# KiCad board manila_ice.kicad_pcb (continued)
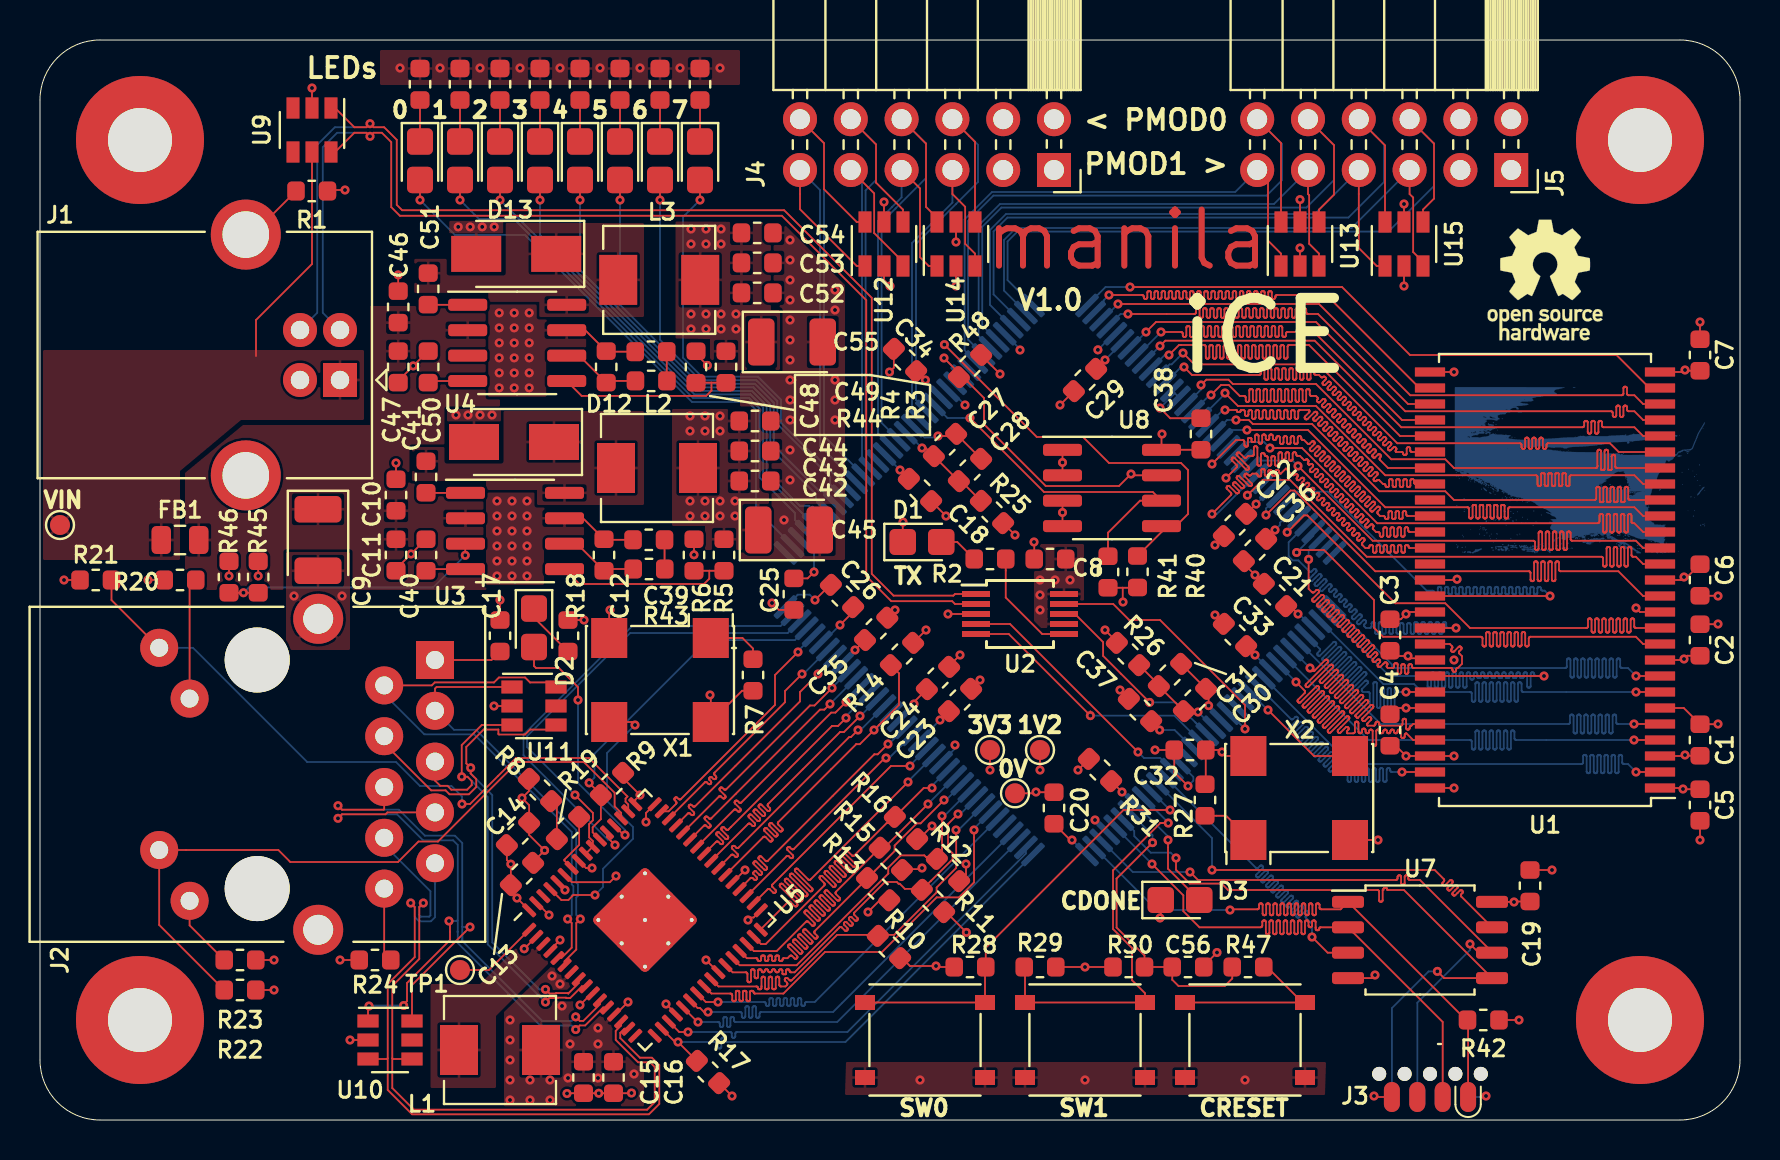
[diagram p0: board, top side]
## Routing (per net, layer and track width the routed paths; a pad name or vN(x,y) marks a point on that pad's centre or on a via; arc(x,y) is an arc through that point) (continued)
/SDRAM/BS0: length 31.1
  Top w0.089: v1(59.25,36.35) 59.9,35.7 63.8,35.7 67.26,32.24 74.79,32.24 74.81,32.24 74.83,32.23 74.84,32.22 74.86,32.2 74.87,32.19 74.87,32.17 74.88,32.15 74.88,31.78 74.88,31.76 74.89,31.74 74.9,31.72 74.91,31.71 74.93,31.7 74.95,31.69 74.97,31.69 74.99,31.69 75,31.7 75.02,31.71 75.03,31.72 75.05,31.74 75.05,31.76 75.05,31.78 75.05,32.29 75.06,32.3 75.06,32.31 75.07,32.32 75.07,32.33 75.08,32.33 75.09,32.34 75.1,32.34 75.18,32.34 75.19,32.34 75.2,32.33 75.21,32.33 75.22,32.32 75.23,32.31 75.23,32.3 75.23,32.29 75.23,31.78 75.23,31.76 75.24,31.74 75.25,31.72 75.27,31.71 75.28,31.7 75.3,31.69 75.32,31.69 75.34,31.69 75.36,31.7 75.38,31.71 75.39,31.72 75.4,31.74 75.41,31.76 75.41,31.78 75.41,32.29 75.41,32.3 75.41,32.31 75.42,32.32 75.43,32.33 75.44,32.33 75.45,32.34 75.46,32.34 75.54,32.34 75.55,32.34 75.56,32.33 75.57,32.33 75.58,32.32 75.58,32.31 75.59,32.3 75.59,32.29 75.59,31.78 75.59,31.76 75.6,31.74 75.61,31.72 75.62,31.71 75.64,31.7 75.66,31.69 75.68,31.69 75.7,31.69 75.72,31.7 75.73,31.71 75.75,31.72 75.76,31.74 75.76,31.76 75.77,31.78 75.77,32.29 75.77,32.3 75.77,32.31 75.78,32.32 75.78,32.33 75.79,32.33 75.8,32.34 75.82,32.34 75.89,32.34 75.9,32.34 75.92,32.33 75.92,32.33 75.93,32.32 75.94,32.31 75.94,32.3 75.94,32.29 75.94,31.78 75.95,31.76 75.95,31.74 75.96,31.72 75.98,31.71 75.99,31.7 76.01,31.69 76.03,31.69 76.05,31.69 76.07,31.7 76.09,31.71 76.1,31.72 76.11,31.74 76.12,31.76 76.12,31.78 76.12,32.29 76.12,32.3 76.13,32.31 76.13,32.32 76.14,32.33 76.15,32.33 76.16,32.34 76.17,32.34 76.25,32.34 76.26,32.34 76.27,32.33 76.28,32.33 76.29,32.32 76.29,32.31 76.3,32.3 76.3,32.29 76.3,31.78 76.3,31.76 76.31,31.74 76.32,31.72 76.33,31.71 76.35,31.7 76.37,31.69 76.39,31.69 76.41,31.69 76.43,31.7 76.44,31.71 76.46,31.72 76.47,31.74 76.47,31.76 76.48,31.78 76.48,32.15 76.48,32.17 76.49,32.19 76.5,32.2 76.51,32.22 76.53,32.23 76.55,32.24 76.57,32.24 79.72,32.24 80.16,31.8 U1.20
  Bottom w0.089: U6.17 59.25,36.31 v1(59.25,36.35)
/SDRAM/BS1: length 31.2
  Top w0.089: U1.21 78.85,32.6 78.83,32.6 78.81,32.61 78.79,32.62 78.78,32.63 78.77,32.65 78.76,32.67 78.76,32.69 78.76,33.18 78.76,33.2 78.75,33.22 78.74,33.23 78.73,33.25 78.71,33.26 78.69,33.26 78.67,33.27 78.65,33.26 78.63,33.26 78.62,33.25 78.6,33.23 78.59,33.22 78.59,33.2 78.58,33.18 78.58,32.55 78.58,32.54 78.58,32.53 78.57,32.52 78.56,32.51 78.55,32.5 78.54,32.5 78.53,32.5 78.46,32.5 78.44,32.5 78.43,32.5 78.42,32.51 78.42,32.52 78.41,32.53 78.41,32.54 78.41,32.55 78.41,33.43 78.4,33.45 78.4,33.47 78.39,33.48 78.37,33.5 78.36,33.51 78.34,33.51 78.32,33.52 78.3,33.51 78.28,33.51 78.26,33.5 78.25,33.48 78.24,33.47 78.23,33.45 78.23,33.43 78.23,32.55 78.23,32.54 78.22,32.53 78.22,32.52 78.21,32.51 78.2,32.5 78.19,32.5 78.18,32.5 78.1,32.5 78.09,32.5 78.08,32.5 78.07,32.51 78.06,32.52 78.05,32.53 78.05,32.54 78.05,32.55 78.05,33.43 78.05,33.45 78.04,33.47 78.03,33.48 78.02,33.5 78,33.51 77.98,33.51 77.96,33.52 77.94,33.51 77.92,33.51 77.91,33.5 77.89,33.48 77.88,33.47 77.87,33.45 77.87,33.43 77.87,32.69 77.87,32.67 77.86,32.65 77.85,32.63 77.84,32.62 77.82,32.61 77.8,32.6 77.78,32.6 70.7,32.6 70.26,33.04 67.56,33.04 63.8,36.8 59.64,36.8 59.43,37.01 58.31,37.01 v1(58.05,36.75)
  Bottom w0.089: v1(58.05,36.75) 58.05,36.52 U6.15 57.3,35.8
/SDRAM/CKE: length 31.1
  Top w0.089: U1.37 68.4,30.2 68.38,30.2 68.36,30.21 68.34,30.22 68.33,30.23 68.32,30.25 68.31,30.27 68.31,30.29 68.31,30.36 68.31,30.38 68.3,30.4 68.29,30.42 68.28,30.43 68.26,30.44 68.24,30.45 68.22,30.45 68.2,30.45 68.18,30.44 68.17,30.43 68.15,30.42 68.14,30.4 68.14,30.38 68.13,30.36 68.13,30.12 68.13,30.11 68.13,30.09 68.12,30.08 68.11,30.07 68.09,30.06 68.07,30.05 68.06,30.05 68.03,30.05 68.01,30.05 68,30.06 67.98,30.07 67.97,30.08 67.96,30.09 67.96,30.11 67.96,30.12 67.96,30.36 67.95,30.38 67.95,30.4 67.94,30.42 67.92,30.43 67.91,30.44 67.89,30.45 67.87,30.45 67.85,30.45 67.83,30.44 67.81,30.43 67.8,30.42 67.79,30.4 67.78,30.38 67.78,30.36 67.78,30.12 67.78,30.11 67.77,30.09 67.76,30.08 67.75,30.07 67.74,30.06 67.72,30.05 67.7,30.05 67.67,30.05 67.66,30.05 67.64,30.06 67.63,30.07 67.62,30.08 67.61,30.09 67.6,30.11 67.6,30.12 67.6,30.36 67.6,30.38 67.59,30.4 67.58,30.42 67.57,30.43 67.55,30.44 67.53,30.45 67.51,30.45 67.49,30.45 67.47,30.44 67.46,30.43 67.44,30.42 67.43,30.4 67.42,30.38 67.42,30.36 67.42,30.12 67.42,30.11 67.41,30.09 67.41,30.08 67.39,30.07 67.38,30.06 67.36,30.05 67.35,30.05 67.32,30.05 67.3,30.05 67.29,30.06 67.27,30.07 67.26,30.08 67.25,30.09 67.25,30.11 67.24,30.14 67.24,30.16 67.23,30.17 67.22,30.18 67.2,30.19 67.19,30.2 67.17,30.2 67,30.2 66.89,30.31 66.88,30.32 66.87,30.34 66.87,30.36 66.87,30.38 66.87,30.4 66.88,30.42 66.89,30.43 66.98,30.52 66.99,30.53 67,30.55 67.01,30.57 67.01,30.59 67,30.61 66.99,30.63 66.98,30.64 66.96,30.66 66.95,30.66 66.93,30.67 66.91,30.67 66.89,30.66 66.87,30.66 66.85,30.64 66.65,30.44 66.64,30.43 66.62,30.42 66.61,30.42 66.59,30.42 66.57,30.42 66.56,30.43 66.55,30.44 66.53,30.46 66.52,30.47 66.51,30.49 66.51,30.51 66.51,30.52 66.51,30.54 66.52,30.55 66.53,30.57 66.73,30.77 66.74,30.79 66.75,30.8 66.75,30.82 66.75,30.84 66.75,30.86 66.74,30.88 66.73,30.9 66.71,30.91 66.7,30.92 66.68,30.92 66.66,30.92 66.64,30.92 66.62,30.91 66.6,30.9 66.4,30.69 66.39,30.68 66.37,30.68 66.36,30.67 66.34,30.67 66.32,30.68 66.31,30.68 66.29,30.69 66.28,30.71 66.26,30.73 66.26,30.74 66.25,30.76 66.25,30.77 66.26,30.79 66.26,30.81 66.28,30.82 66.48,31.02 66.49,31.04 66.5,31.05 66.5,31.07 66.5,31.09 66.5,31.11 66.49,31.13 66.48,31.15 66.46,31.16 66.44,31.17 66.42,31.17 66.4,31.17 66.39,31.17 66.37,31.16 66.35,31.15 66.15,30.94 66.14,30.93 66.12,30.93 66.1,30.92 66.09,30.92 66.07,30.93 66.06,30.93 66.04,30.94 66.02,30.96 66.01,30.98 66.01,30.99 66,31.01 66,31.03 66.01,31.04 66.01,31.06 66.02,31.07 66.23,31.27 66.24,31.29 66.25,31.31 66.25,31.33 66.25,31.35 66.25,31.36 66.24,31.38 66.23,31.4 66.21,31.41 66.19,31.42 66.17,31.42 66.15,31.42 66.13,31.42 66.12,31.41 66.1,31.4 65.9,31.2 65.88,31.19 65.87,31.18 65.85,31.17 65.84,31.17 65.82,31.18 65.81,31.19 65.79,31.2 65.77,31.22 65.76,31.23 65.75,31.24 65.75,31.26 65.75,31.28 65.75,31.29 65.76,31.31 65.77,31.32 65.97,31.52 65.99,31.54 66,31.56 66,31.58 66,31.6 66,31.62 65.99,31.63 65.97,31.65 65.96,31.66 65.94,31.67 65.92,31.68 65.9,31.68 65.88,31.67 65.86,31.66 65.85,31.65 65.65,31.45 65.63,31.44 65.62,31.43 65.6,31.43 65.59,31.43 65.57,31.43 65.55,31.44 65.54,31.45 65.52,31.47 65.51,31.48 65.5,31.5 65.5,31.51 65.5,31.53 65.5,31.54 65.51,31.56 65.52,31.57 65.72,31.78 65.74,31.79 65.74,31.81 65.75,31.83 65.75,31.85 65.74,31.87 65.74,31.89 65.72,31.9 65.71,31.91 65.69,31.92 65.67,31.93 65.65,31.93 65.63,31.92 65.61,31.91 65.6,31.9 65.4,31.7 65.38,31.69 65.37,31.68 65.35,31.68 65.33,31.68 65.32,31.68 65.3,31.69 65.29,31.7 65.27,31.72 65.26,31.73 65.25,31.75 65.25,31.76 65.25,31.78 65.25,31.8 65.26,31.81 65.27,31.82 65.47,32.03 65.48,32.04 65.49,32.06 65.5,32.08 65.5,32.1 65.49,32.12 65.48,32.14 65.47,32.15 65.46,32.17 65.44,32.17 65.42,32.18 65.4,32.18 65.38,32.17 65.36,32.17 65.35,32.15 65.14,31.95 65.13,31.94 65.12,31.93 65.1,31.93 65.08,31.93 65.07,31.93 65.05,31.94 65.04,31.95 65.02,31.97 65.01,31.98 65,32 65,32.01 65,32.03 65,32.05 65.01,32.06 65.02,32.08 65.22,32.28 65.23,32.29 65.24,32.31 65.25,32.33 65.25,32.35 65.24,32.37 65.23,32.39 65.22,32.4 65.2,32.42 65.19,32.43 65.17,32.43 65.15,32.43 65.13,32.43 65.11,32.42 65.09,32.4 64.89,32.2 64.88,32.19 64.86,32.18 64.85,32.18 64.83,32.18 64.81,32.18 64.8,32.19 64.79,32.2 64.77,32.22 64.76,32.23 64.75,32.25 64.74,32.27 64.74,32.28 64.75,32.3 64.76,32.31 64.77,32.33 64.97,32.53 64.98,32.55 64.99,32.56 64.99,32.58 64.99,32.6 64.99,32.62 64.98,32.64 64.97,32.66 64.95,32.67 64.94,32.68 64.92,32.68 64.9,32.68 64.88,32.68 64.86,32.67 64.84,32.66 64.64,32.45 64.63,32.44 64.61,32.44 64.6,32.43 64.58,32.43 64.56,32.44 64.55,32.44 64.53,32.45 64.51,32.47 64.5,32.49 64.5,32.5 64.49,32.52 64.49,32.53 64.5,32.55 64.5,32.57 64.51,32.58 64.72,32.78 64.73,32.8 64.74,32.81 64.74,32.83 64.74,32.85 64.74,32.87 64.73,32.89 64.72,32.91 64.7,32.92 64.68,32.93 64.66,32.93 64.64,32.93 64.63,32.93 64.61,32.92 64.59,32.91 64.39,32.7 64.38,32.69 64.36,32.69 64.34,32.68 64.33,32.68 64.31,32.69 64.3,32.69 64.28,32.7 64.26,32.72 64.25,32.74 64.25,32.75 64.24,32.77 64.24,32.79 64.25,32.8 64.25,32.82 64.26,32.83 64.47,33.03 64.48,33.05 64.49,33.07 64.49,33.09 64.49,33.11 64.49,33.12 64.48,33.14 64.47,33.16 64.45,33.17 64.43,33.18 64.41,33.18 64.39,33.18 64.37,33.18 64.36,33.17 64.34,33.16 64.14,32.96 64.12,32.95 64.11,32.94 64.09,32.93 64.08,32.93 64.06,32.94 64.04,32.95 64.03,32.96 64.01,32.98 64,32.99 63.99,33 63.99,33.02 63.99,33.04 63.99,33.05 64,33.07 64.01,33.08 64.21,33.28 64.23,33.3 64.24,33.32 64.24,33.34 64.24,33.36 64.24,33.38 64.23,33.39 64.21,33.41 64.2,33.42 64.18,33.43 64.16,33.44 64.14,33.44 64.12,33.43 64.1,33.42 64.09,33.41 63.89,33.21 63.87,33.2 63.86,33.19 63.84,33.19 63.82,33.19 63.81,33.19 63.79,33.2 63.78,33.21 63.76,33.23 63.75,33.24 63.74,33.26 63.74,33.27 63.74,33.29 63.74,33.31 63.75,33.32 63.76,33.33 63.96,33.54 63.98,33.55 63.98,33.57 63.99,33.59 63.99,33.61 63.98,33.63 63.98,33.65 63.96,33.66 63.95,33.67 63.93,33.68 63.91,33.69 63.89,33.69 63.87,33.68 63.85,33.67 63.84,33.66 63.63,33.46 63.62,33.45 63.61,33.44 63.59,33.44 63.57,33.44 63.56,33.44 63.54,33.45 63.53,33.46 63.51,33.48 63.5,33.49 63.49,33.51 63.49,33.52 63.49,33.54 63.49,33.56 63.5,33.57 63.51,33.58 63.71,33.79 63.72,33.8 63.73,33.82 63.74,33.84 63.74,33.86 63.73,33.88 63.72,33.9 63.71,33.91 63.7,33.93 63.68,33.93 63.66,33.94 63.64,33.94 63.62,33.93 63.6,33.93 63.59,33.91 63.5,33.83 63.48,33.81 63.47,33.81 63.45,33.8 63.43,33.8 63.41,33.81 63.39,33.81 63.37,33.83 63.2,34 63.15,34 63.13,34 63.11,34.01 63.1,34.02 63.08,34.03 63.07,34.05 63.07,34.07 63.06,34.09 63.06,34.11 63.06,34.13 63.06,34.15 63.04,34.16 63.03,34.18 63.01,34.19 63,34.19 62.98,34.2 62.96,34.19 62.94,34.19 62.92,34.18 62.91,34.16 62.9,34.15 62.89,34.13 62.89,34.11 62.89,33.89 62.88,33.87 62.88,33.85 62.87,33.83 62.85,33.82 62.84,33.81 62.82,33.8 62.8,33.8 62.78,33.8 62.76,33.81 62.74,33.82 62.73,33.83 62.72,33.85 62.71,33.87 62.71,33.89 62.71,34.11 62.71,34.13 62.7,34.15 62.69,34.16 62.68,34.18 62.66,34.19 62.64,34.19 62.62,34.2 62.6,34.19 62.58,34.19 62.56,34.18 62.55,34.16 62.54,34.15 62.53,34.13 62.53,34.11 62.53,33.89 62.53,33.87 62.52,33.85 62.51,33.83 62.5,33.82 62.48,33.81 62.46,33.8 62.44,33.8 62.42,33.8 62.4,33.81 62.39,33.82 62.37,33.83 62.36,33.85 62.36,33.87 62.35,33.89 62.35,34.11 62.35,34.13 62.34,34.15 62.33,34.16 62.32,34.18 62.3,34.19 62.28,34.19 62.26,34.2 62.24,34.19 62.23,34.19 62.21,34.18 62.19,34.16 62.18,34.15 62.18,34.13 62.18,34.11 62.18,33.89 62.17,33.87 62.17,33.85 62.16,33.83 62.14,33.82 62.13,33.81 62.11,33.8 62.09,33.8 62.07,33.8 62.05,33.81 62.03,33.82 62.02,33.83 62.01,33.85 62,33.87 62,33.89 62,34.11 62,34.13 61.99,34.15 61.98,34.16 61.96,34.18 61.95,34.19 61.93,34.19 61.91,34.2 61.89,34.19 61.87,34.19 61.85,34.18 61.84,34.16 61.83,34.15 61.82,34.13 61.82,34.11 61.82,34.09 61.82,34.07 61.81,34.05 61.8,34.03 61.79,34.02 61.77,34.01 61.75,34 61.73,34 61.71,34 61.69,34.01 61.68,34.02 61.66,34.03 61.65,34.05 61.64,34.07 61.64,34.09 61.64,34.19 61.64,34.21 61.63,34.23 61.62,34.25 61.61,34.26 61.59,34.27 61.57,34.28 61.55,34.28 61.53,34.28 61.51,34.27 61.5,34.26 61.48,34.25 61.47,34.23 61.47,34.21 61.46,34.19 61.46,34.09 61.46,34.07 61.46,34.05 61.44,34.03 61.43,34.02 61.41,34.01 61.4,34 61.38,34 61.36,34 61.34,34.01 61.32,34.02 61.31,34.03 61.3,34.05 61.29,34.07 61.29,34.09 61.29,34.19 61.28,34.21 61.28,34.23 61.27,34.25 61.25,34.26 61.24,34.27 61.22,34.28 61.2,34.28 61.18,34.28 61.16,34.27 61.14,34.26 61.13,34.25 61.12,34.23 61.11,34.21 61.11,34.19 61.11,33.9 61.11,33.88 61.1,33.86 61.09,33.85 61.08,33.83 61.06,33.82 61.04,33.82 61.02,33.81 61,33.82 60.98,33.82 60.96,33.83 60.95,33.85 60.94,33.86 60.93,33.88 60.93,33.9 60.93,34.19 60.93,34.21 60.92,34.23 60.91,34.25 60.9,34.26 60.88,34.27 60.86,34.28 60.84,34.28 60.82,34.28 60.8,34.27 60.79,34.26 60.77,34.25 60.76,34.23 60.76,34.21 60.75,34.19 60.75,33.95 60.75,33.94 60.75,33.93 60.74,33.92 60.73,33.91 60.72,33.9 60.71,33.9 60.7,33.9 60.63,33.9 60.61,33.9 60.6,33.9 60.59,33.91 60.59,33.92 60.58,33.93 60.58,33.94 60.58,33.95 60.58,34.05 60.57,34.06 60.57,34.07 60.56,34.08 60.56,34.09 60.55,34.09 60.54,34.1 60.53,34.1 60.45,34.1 60.44,34.1 60.43,34.09 60.42,34.09 60.41,34.08 60.4,34.07 60.4,34.06 60.4,34.05 60.4,33.75 60.4,33.73 60.39,33.71 60.38,33.7 60.36,33.68 60.35,33.67 60.33,33.67 60.31,33.66 60.29,33.67 60.27,33.67 60.25,33.68 60.24,33.7 60.23,33.71 60.22,33.73 60.22,33.75 60.22,33.91 60.22,33.93 60.21,33.95 60.2,33.96 60.19,33.98 60.17,33.99 60.15,33.99 60.13,34 59.8,34 v1(58.6,32.8)
  Bottom w0.089: v1(58.6,32.8) 59.42,33.62 U6.21
/SDRAM/CLK: length 31.1
  Top w0.089: U1.38 68.5,29.4 68.48,29.4 68.46,29.41 68.44,29.42 68.43,29.43 68.42,29.45 68.41,29.47 68.41,29.49 68.41,29.55 68.41,29.57 68.4,29.59 68.39,29.61 68.38,29.62 68.36,29.63 68.34,29.64 68.32,29.64 68.3,29.64 68.28,29.63 68.27,29.62 68.25,29.61 68.24,29.59 68.24,29.57 68.23,29.55 68.23,29.25 68.23,29.23 68.22,29.21 68.21,29.19 68.2,29.18 68.18,29.17 68.16,29.16 68.14,29.16 68.12,29.16 68.11,29.17 68.09,29.18 68.07,29.19 68.06,29.21 68.06,29.23 68.06,29.25 68.06,29.55 68.05,29.57 68.05,29.59 68.04,29.61 68.02,29.62 68.01,29.63 67.99,29.64 67.97,29.64 67.95,29.64 67.93,29.63 67.91,29.62 67.9,29.61 67.89,29.59 67.88,29.57 67.88,29.55 67.88,29.25 67.88,29.23 67.87,29.21 67.86,29.19 67.84,29.18 67.83,29.17 67.81,29.16 67.79,29.16 67.77,29.16 67.75,29.17 67.73,29.18 67.72,29.19 67.71,29.21 67.7,29.23 67.7,29.25 67.7,29.55 67.7,29.57 67.69,29.59 67.68,29.61 67.67,29.62 67.65,29.63 67.63,29.64 67.61,29.64 67.59,29.64 67.57,29.63 67.56,29.62 67.54,29.61 67.53,29.59 67.52,29.57 67.52,29.55 67.52,29.25 67.52,29.23 67.51,29.21 67.5,29.19 67.49,29.18 67.47,29.17 67.45,29.16 67.43,29.16 67.41,29.16 67.39,29.17 67.38,29.18 67.36,29.19 67.35,29.21 67.35,29.23 67.34,29.25 67.34,29.55 67.34,29.57 67.34,29.59 67.32,29.61 67.31,29.62 67.29,29.63 67.28,29.64 67.26,29.64 67.24,29.64 67.22,29.63 67.2,29.62 67.19,29.61 67.18,29.59 67.17,29.57 67.17,29.55 67.17,29.25 67.16,29.23 67.16,29.21 67.15,29.19 67.13,29.18 67.12,29.17 67.1,29.16 67.08,29.16 67.06,29.16 67.04,29.17 67.02,29.18 67.01,29.19 67,29.21 66.99,29.23 66.99,29.25 66.99,29.31 66.99,29.33 66.98,29.35 66.97,29.37 66.96,29.38 66.94,29.39 66.92,29.4 66.9,29.4 66.8,29.4 66.66,29.54 66.65,29.55 66.64,29.57 66.64,29.58 66.64,29.6 66.64,29.61 66.65,29.63 66.67,29.65 66.68,29.67 66.68,29.68 66.68,29.7 66.68,29.71 66.67,29.73 66.66,29.74 66.63,29.77 66.62,29.78 66.61,29.78 66.59,29.79 66.57,29.79 66.56,29.78 66.55,29.78 66.53,29.77 66.48,29.72 66.48,29.72 66.41,29.65 66.39,29.64 66.37,29.63 66.35,29.62 66.34,29.62 66.32,29.63 66.3,29.64 66.28,29.65 66.27,29.66 66.26,29.68 66.26,29.7 66.26,29.72 66.26,29.74 66.27,29.76 66.28,29.77 66.4,29.9 66.41,29.91 66.42,29.92 66.42,29.94 66.42,29.95 66.42,29.97 66.41,29.98 66.4,30 66.38,30.02 66.37,30.03 66.35,30.04 66.34,30.04 66.32,30.04 66.3,30.04 66.29,30.03 66.28,30.02 66.16,29.9 66.14,29.89 66.12,29.88 66.1,29.87 66.08,29.87 66.06,29.88 66.05,29.89 66.03,29.9 66.02,29.92 66.01,29.93 66.01,29.95 66.01,29.97 66.01,29.99 66.02,30.01 66.03,30.03 66.15,30.15 66.16,30.16 66.17,30.17 66.17,30.19 66.17,30.2 66.17,30.22 66.16,30.23 66.15,30.25 66.13,30.27 66.11,30.28 66.1,30.29 66.08,30.29 66.07,30.29 66.05,30.29 66.04,30.28 66.03,30.27 65.9,30.15 65.89,30.14 65.87,30.13 65.85,30.13 65.83,30.13 65.81,30.13 65.79,30.14 65.78,30.15 65.77,30.17 65.76,30.18 65.75,30.2 65.75,30.22 65.76,30.24 65.77,30.26 65.78,30.28 65.9,30.4 65.91,30.41 65.92,30.43 65.92,30.44 65.92,30.46 65.92,30.47 65.91,30.49 65.9,30.5 65.87,30.52 65.86,30.53 65.85,30.54 65.83,30.54 65.82,30.54 65.8,30.54 65.79,30.53 65.78,30.52 65.65,30.4 65.64,30.39 65.62,30.38 65.6,30.38 65.58,30.38 65.56,30.38 65.54,30.39 65.53,30.4 65.52,30.42 65.51,30.44 65.5,30.46 65.5,30.48 65.51,30.49 65.52,30.51 65.53,30.53 65.65,30.65 65.66,30.66 65.67,30.68 65.67,30.69 65.67,30.71 65.67,30.72 65.66,30.74 65.65,30.75 65.62,30.78 65.61,30.79 65.6,30.79 65.58,30.8 65.57,30.8 65.55,30.79 65.54,30.79 65.52,30.78 65.4,30.65 65.39,30.64 65.37,30.63 65.35,30.63 65.33,30.63 65.31,30.63 65.29,30.64 65.28,30.65 65.26,30.67 65.26,30.69 65.25,30.71 65.25,30.73 65.26,30.75 65.26,30.76 65.28,30.78 65.4,30.9 65.41,30.91 65.41,30.93 65.42,30.94 65.42,30.96 65.41,30.97 65.41,30.99 65.4,31 65.37,31.03 65.36,31.04 65.35,31.04 65.33,31.05 65.31,31.05 65.3,31.04 65.28,31.04 65.27,31.03 65.15,30.91 65.14,30.89 65.12,30.88 65.1,30.88 65.08,30.88 65.06,30.88 65.04,30.89 65.02,30.91 65.01,30.92 65,30.94 65,30.96 65,30.98 65,31 65.01,31.02 65.02,31.03 65.15,31.15 65.16,31.17 65.16,31.18 65.17,31.19 65.17,31.21 65.16,31.23 65.16,31.24 65.15,31.25 65.12,31.28 65.11,31.29 65.09,31.3 65.08,31.3 65.06,31.3 65.05,31.3 65.03,31.29 65.02,31.28 64.9,31.16 64.88,31.14 64.87,31.14 64.85,31.13 64.83,31.13 64.81,31.14 64.79,31.14 64.77,31.16 64.76,31.17 64.75,31.19 64.75,31.21 64.75,31.23 64.75,31.25 64.76,31.27 64.77,31.28 64.9,31.4 64.9,31.42 64.91,31.43 64.92,31.45 64.92,31.46 64.91,31.48 64.9,31.49 64.9,31.5 64.87,31.53 64.86,31.54 64.84,31.55 64.83,31.55 64.81,31.55 64.8,31.55 64.78,31.54 64.77,31.53 64.65,31.41 64.63,31.4 64.61,31.39 64.59,31.38 64.57,31.38 64.56,31.39 64.54,31.4 64.52,31.41 64.51,31.42 64.5,31.44 64.5,31.46 64.5,31.48 64.5,31.5 64.51,31.52 64.52,31.53 64.64,31.66 64.65,31.67 64.66,31.68 64.66,31.7 64.66,31.71 64.66,31.73 64.65,31.74 64.64,31.76 64.62,31.78 64.61,31.79 64.59,31.8 64.58,31.8 64.56,31.8 64.54,31.8 64.53,31.79 64.52,31.78 64.4,31.66 64.38,31.65 64.36,31.64 64.34,31.63 64.32,31.63 64.3,31.64 64.29,31.65 64.27,31.66 64.26,31.68 64.25,31.69 64.25,31.71 64.25,31.73 64.25,31.75 64.26,31.77 64.27,31.79 64.39,31.91 64.4,31.92 64.41,31.93 64.41,31.95 64.41,31.96 64.41,31.98 64.4,31.99 64.39,32.01 64.37,32.03 64.35,32.04 64.34,32.05 64.32,32.05 64.31,32.05 64.29,32.05 64.28,32.04 64.27,32.03 64.14,31.91 64.13,31.9 64.11,31.89 64.09,31.89 64.07,31.89 64.05,31.89 64.03,31.9 64.02,31.91 64.01,31.93 64,31.94 63.99,31.96 63.99,31.98 64,32 64.01,32.02 64.02,32.04 64.14,32.16 64.15,32.17 64.16,32.19 64.16,32.2 64.16,32.22 64.16,32.23 64.15,32.25 64.14,32.26 64.11,32.28 64.1,32.29 64.09,32.3 64.07,32.3 64.06,32.3 64.04,32.3 64.03,32.29 64.02,32.28 63.89,32.16 63.88,32.15 63.86,32.14 63.84,32.14 63.82,32.14 63.8,32.14 63.78,32.15 63.77,32.16 63.76,32.18 63.75,32.2 63.74,32.22 63.74,32.24 63.75,32.25 63.76,32.27 63.77,32.29 63.89,32.41 63.9,32.42 63.91,32.44 63.91,32.45 63.91,32.47 63.91,32.48 63.9,32.5 63.89,32.51 63.86,32.54 63.85,32.55 63.84,32.55 63.82,32.56 63.81,32.56 63.79,32.55 63.78,32.55 63.76,32.54 63.64,32.41 63.63,32.4 63.61,32.39 63.59,32.39 63.57,32.39 63.55,32.39 63.53,32.4 63.52,32.41 63.5,32.43 63.5,32.45 63.49,32.47 63.49,32.49 63.5,32.51 63.5,32.52 63.52,32.54 63.64,32.66 63.65,32.67 63.65,32.69 63.66,32.7 63.66,32.72 63.65,32.73 63.65,32.75 63.64,32.76 63.61,32.79 63.6,32.8 63.59,32.8 63.57,32.81 63.55,32.81 63.54,32.8 63.52,32.8 63.5,32.78 63.49,32.77 63.47,32.77 63.45,32.77 63.44,32.77 63.43,32.78 63.41,32.79 63.4,32.8 63.39,32.82 63.39,32.83 63.39,32.85 63.39,32.86 63.4,32.88 63.42,32.9 63.43,32.92 63.43,32.93 63.43,32.95 63.43,32.96 63.42,32.98 63.41,32.99 63.38,33.02 63.37,33.03 63.36,33.03 63.34,33.04 63.33,33.04 63.31,33.03 63.3,33.03 63.27,33.01 63.26,33 63.24,33 63.23,33 63.21,33 63.2,33.01 63.18,33.02 63,33.2 62.9,33.2 62.88,33.2 62.86,33.21 62.84,33.22 62.83,33.23 62.82,33.25 62.81,33.27 62.81,33.29 62.81,33.3 62.81,33.32 62.8,33.34 62.79,33.36 62.78,33.37 62.76,33.38 62.74,33.39 62.72,33.39 62.7,33.39 62.68,33.38 62.67,33.37 62.65,33.36 62.64,33.34 62.64,33.32 62.63,33.3 62.63,33.05 62.63,33.03 62.62,33.01 62.61,32.99 62.6,32.98 62.58,32.97 62.56,32.96 62.54,32.96 62.52,32.96 62.51,32.97 62.49,32.98 62.47,32.99 62.46,33.01 62.46,33.03 62.46,33.05 62.46,33.3 62.45,33.32 62.45,33.34 62.44,33.36 62.42,33.37 62.41,33.38 62.39,33.39 62.37,33.39 62.35,33.39 62.33,33.38 62.31,33.37 62.3,33.36 62.29,33.34 62.28,33.32 62.28,33.3 62.28,33.1 62.28,33.08 62.27,33.06 62.26,33.04 62.24,33.03 62.23,33.02 62.21,33.01 62.19,33.01 62.17,33.01 62.15,33.02 62.13,33.03 62.12,33.04 62.11,33.06 62.1,33.08 62.1,33.1 62.1,33.3 62.1,33.32 62.09,33.34 62.08,33.36 62.07,33.37 62.05,33.38 62.03,33.39 62.01,33.39 61.99,33.39 61.97,33.38 61.96,33.37 61.94,33.36 61.93,33.34 61.92,33.32 61.92,33.3 61.92,32.8 61.92,32.78 61.91,32.76 61.9,32.74 61.89,32.73 61.87,32.72 61.85,32.71 61.83,32.71 61.81,32.71 61.79,32.72 61.78,32.73 61.76,32.74 61.75,32.76 61.75,32.78 61.74,32.8 61.74,33.11 61.74,33.13 61.74,33.15 61.72,33.17 61.71,33.18 61.69,33.19 61.68,33.2 61.66,33.2 61.64,33.2 61.62,33.19 61.6,33.18 61.59,33.17 61.58,33.15 61.57,33.13 61.57,33.11 61.57,32.8 61.56,32.78 61.56,32.76 61.55,32.74 61.53,32.73 61.52,32.72 61.5,32.71 61.48,32.71 61.46,32.71 61.44,32.72 61.42,32.73 61.41,32.74 61.4,32.76 61.39,32.78 61.39,32.8 61.39,33.11 61.39,33.13 61.38,33.15 61.37,33.17 61.36,33.18 61.34,33.19 61.32,33.2 61.28,33.2 61.27,33.21 61.26,33.22 61.24,33.23 61.24,33.24 61.23,33.25 61.23,33.29 61.22,33.3 61.21,33.31 61.2,33.33 61.19,33.33 61.17,33.34 61.16,33.34 61.12,33.34 61.11,33.34 61.09,33.33 61.08,33.33 61.07,33.31 61.06,33.3 61.05,33.29 61.05,33.27 61.05,33.2 61.05,33.2 61.05,32.8 61.04,32.78 61.04,32.76 61.03,32.74 61.01,32.73 61,32.72 60.98,32.71 60.96,32.71 60.94,32.71 60.92,32.72 60.9,32.73 60.89,32.74 60.88,32.76 60.87,32.78 60.87,32.8 60.87,33.6 60.87,33.62 60.86,33.64 60.85,33.66 60.84,33.67 60.82,33.68 60.8,33.69 60.78,33.69 60.76,33.69 60.74,33.68 60.72,33.67 60.71,33.66 60.7,33.64 60.69,33.62 60.69,33.6 60.69,33.29 60.69,33.27 60.68,33.25 60.67,33.23 60.66,33.22 60.64,33.21 60.62,33.2 60.6,33.2 60.4,33.2 60.33,33.13 60.31,33.12 60.3,33.11 60.28,33.1 60.26,33.1 60.24,33.11 60.22,33.12 60.2,33.13 59.98,33.35 59.97,33.36 59.95,33.37 59.93,33.38 59.91,33.38 59.89,33.37 59.87,33.36 59.86,33.35 59.84,33.33 59.84,33.32 59.83,33.3 59.83,33.28 59.84,33.26 59.84,33.24 59.86,33.22 60.42,32.66 60.44,32.64 60.45,32.62 60.45,32.6 60.45,32.58 60.45,32.56 60.44,32.55 60.42,32.53 60.41,32.52 60.39,32.51 60.37,32.51 60.35,32.51 60.33,32.51 60.31,32.52 60.3,32.53 59.73,33.1 59.72,33.11 59.7,33.12 59.68,33.12 59.66,33.12 59.64,33.12 59.62,33.11 59.61,33.1 59.59,33.08 59.58,33.07 59.58,33.05 59.58,33.03 59.58,33.01 59.59,32.99 59.61,32.97 59.83,32.75 59.84,32.74 59.85,32.72 59.85,32.7 59.85,32.68 59.85,32.66 59.84,32.64 59.83,32.63 v1(59.3,32.1)
  Bottom w0.089: v1(59.3,32.1) 60.13,32.93 U6.23
/SDRAM/DATA0: length 31
  Top w0.089: U1.2 v1(79.8,17.4)
  Bottom w0.089: v1(79.8,17.4) 79.4,17.8 79.2,17.8 79.18,17.8 79.16,17.81 79.14,17.82 79.13,17.83 79.12,17.85 79.11,17.87 79.11,17.89 79.11,18.17 79.11,18.19 79.1,18.21 79.09,18.23 79.08,18.24 79.06,18.25 79.04,18.26 79.02,18.26 79,18.26 78.98,18.25 78.97,18.24 78.95,18.23 78.94,18.21 78.93,18.19 78.93,18.17 78.93,17.43 78.93,17.41 78.92,17.39 78.91,17.37 78.9,17.36 78.88,17.35 78.86,17.34 78.84,17.34 78.82,17.34 78.8,17.35 78.79,17.36 78.77,17.37 78.76,17.39 78.76,17.41 78.75,17.43 78.75,18.17 78.75,18.19 78.75,18.21 78.73,18.23 78.72,18.24 78.7,18.25 78.68,18.26 78.66,18.26 78.65,18.26 78.63,18.25 78.61,18.24 78.6,18.23 78.58,18.21 78.58,18.19 78.58,18.17 78.58,17.43 78.57,17.41 78.57,17.39 78.56,17.37 78.54,17.36 78.53,17.35 78.51,17.34 78.49,17.34 78.47,17.34 78.45,17.35 78.43,17.36 78.42,17.37 78.41,17.39 78.4,17.41 78.4,17.43 78.4,18.17 78.4,18.19 78.39,18.21 78.38,18.23 78.36,18.24 78.35,18.25 78.33,18.26 78.31,18.26 78.29,18.26 78.27,18.25 78.25,18.24 78.24,18.23 78.23,18.21 78.22,18.19 78.22,18.17 78.22,17.43 78.22,17.41 78.21,17.39 78.2,17.37 78.19,17.36 78.17,17.35 78.15,17.34 78.13,17.34 78.11,17.34 78.09,17.35 78.08,17.36 78.06,17.37 78.05,17.39 78.04,17.41 78.04,17.43 78.04,18.17 78.04,18.19 78.03,18.21 78.02,18.23 78.01,18.24 77.99,18.25 77.97,18.26 77.95,18.26 77.93,18.26 77.92,18.25 77.9,18.24 77.88,18.23 77.87,18.21 77.87,18.19 77.86,18.17 77.86,17.43 77.86,17.41 77.86,17.39 77.85,17.37 77.83,17.36 77.81,17.35 77.8,17.34 77.78,17.34 77.76,17.34 77.74,17.35 77.72,17.36 77.71,17.37 77.7,17.39 77.69,17.41 77.69,17.43 77.69,18.17 77.68,18.19 77.68,18.21 77.67,18.23 77.65,18.24 77.64,18.25 77.62,18.26 77.6,18.26 77.58,18.26 77.56,18.25 77.54,18.24 77.53,18.23 77.52,18.21 77.51,18.19 77.51,18.17 77.51,17.43 77.51,17.41 77.5,17.39 77.49,17.37 77.48,17.36 77.46,17.35 77.44,17.34 77.42,17.34 77.4,17.34 77.38,17.35 77.36,17.36 77.35,17.37 77.34,17.39 77.33,17.41 77.33,17.43 77.33,18.17 77.33,18.19 77.32,18.21 77.31,18.23 77.3,18.24 77.28,18.25 77.26,18.26 77.24,18.26 77.22,18.26 77.2,18.25 77.19,18.24 77.17,18.23 77.16,18.21 77.16,18.19 77.15,18.17 77.15,17.89 77.15,17.87 77.14,17.85 77.13,17.83 77.12,17.82 77.1,17.81 77.08,17.8 77.06,17.8 65.5,17.8 U6.47
/SDRAM/DATA1: length 31
  Top w0.089: U1.4 v1(79.7,19)
  Bottom w0.089: v1(79.7,19) 73.81,19 73.79,19 73.77,19.01 73.76,19.02 73.74,19.03 73.73,19.05 73.72,19.07 73.72,19.09 73.72,19.39 73.72,19.41 73.71,19.43 73.7,19.45 73.69,19.46 73.67,19.47 73.65,19.48 73.63,19.48 73.61,19.48 73.6,19.47 73.58,19.46 73.56,19.45 73.55,19.43 73.55,19.41 73.54,19.39 73.54,18.61 73.54,18.59 73.54,18.57 73.53,18.55 73.51,18.54 73.49,18.53 73.48,18.52 73.46,18.52 73.44,18.52 73.42,18.53 73.4,18.54 73.39,18.55 73.38,18.57 73.37,18.59 73.37,18.61 73.37,19.39 73.36,19.41 73.36,19.43 73.35,19.45 73.33,19.46 73.32,19.47 73.3,19.48 73.28,19.48 73.26,19.48 73.24,19.47 73.22,19.46 73.21,19.45 73.2,19.43 73.19,19.41 73.19,19.39 73.19,18.61 73.19,18.59 73.18,18.57 73.17,18.55 73.16,18.54 73.14,18.53 73.12,18.52 73.1,18.52 73.08,18.52 73.06,18.53 73.04,18.54 73.03,18.55 73.02,18.57 73.01,18.59 73.01,18.61 73.01,19.39 73.01,19.41 73,19.43 72.99,19.45 72.98,19.46 72.96,19.47 72.94,19.48 72.92,19.48 72.9,19.48 72.88,19.47 72.87,19.46 72.85,19.45 72.84,19.43 72.84,19.41 72.83,19.39 72.83,18.61 72.83,18.59 72.82,18.57 72.81,18.55 72.8,18.54 72.78,18.53 72.76,18.52 72.74,18.52 72.72,18.52 72.71,18.53 72.69,18.54 72.68,18.55 72.66,18.57 72.66,18.59 72.66,18.61 72.66,19.39 72.65,19.41 72.65,19.43 72.64,19.45 72.62,19.46 72.61,19.47 72.59,19.48 72.57,19.48 72.55,19.48 72.53,19.47 72.51,19.46 72.5,19.45 72.49,19.43 72.48,19.41 72.48,19.39 72.48,18.61 72.48,18.59 72.47,18.57 72.46,18.55 72.44,18.54 72.43,18.53 72.41,18.52 72.39,18.52 72.37,18.52 72.35,18.53 72.33,18.54 72.32,18.55 72.31,18.57 72.3,18.59 72.3,18.61 72.3,19.39 72.3,19.41 72.29,19.43 72.28,19.45 72.27,19.46 72.25,19.47 72.23,19.48 72.21,19.48 72.19,19.48 72.17,19.47 72.16,19.46 72.14,19.45 72.13,19.43 72.12,19.41 72.12,19.39 72.12,18.61 72.12,18.59 72.11,18.57 72.1,18.55 72.09,18.54 72.07,18.53 72.05,18.52 72.03,18.52 72.01,18.52 71.99,18.53 71.98,18.54 71.96,18.55 71.95,18.57 71.95,18.59 71.94,18.61 71.94,19.39 71.94,19.41 71.94,19.43 71.93,19.45 71.91,19.46 71.89,19.47 71.88,19.48 71.86,19.48 71.84,19.48 71.82,19.47 71.8,19.46 71.79,19.45 71.78,19.43 71.77,19.41 71.77,19.39 71.77,18.61 71.76,18.59 71.76,18.57 71.75,18.55 71.73,18.54 71.72,18.53 71.7,18.52 71.68,18.52 71.66,18.52 71.64,18.53 71.62,18.54 71.61,18.55 71.6,18.57 71.59,18.59 71.59,18.61 71.59,18.91 71.59,18.93 71.58,18.95 71.57,18.97 71.56,18.98 71.54,18.99 71.52,19 71.5,19 66.42,19 U6.44
/SDRAM/DATA2: length 31
  Top w0.089: U1.5 v1(79.7,19.8)
  Bottom w0.089: v1(79.7,19.8) 78.9,19.8 78.88,19.8 78.86,19.81 78.84,19.82 78.83,19.83 78.82,19.85 78.81,19.87 78.81,19.89 78.81,20.19 78.81,20.21 78.8,20.22 78.79,20.24 78.78,20.26 78.76,20.27 78.74,20.27 78.72,20.27 78.7,20.27 78.68,20.27 78.67,20.26 78.65,20.24 78.64,20.22 78.64,20.21 78.63,20.19 78.63,19.41 78.63,19.39 78.62,19.38 78.61,19.36 78.6,19.34 78.58,19.33 78.56,19.33 78.54,19.33 78.52,19.33 78.51,19.33 78.49,19.34 78.47,19.36 78.46,19.38 78.46,19.39 78.46,19.41 78.46,20.19 78.45,20.21 78.45,20.22 78.44,20.24 78.42,20.26 78.41,20.27 78.39,20.27 78.37,20.27 78.35,20.27 78.33,20.27 78.31,20.26 78.3,20.24 78.29,20.22 78.28,20.21 78.28,20.19 78.28,19.41 78.28,19.39 78.27,19.38 78.26,19.36 78.24,19.34 78.23,19.33 78.21,19.33 78.19,19.33 78.17,19.33 78.15,19.33 78.13,19.34 78.12,19.36 78.11,19.38 78.1,19.39 78.1,19.41 78.1,20.19 78.1,20.21 78.09,20.22 78.08,20.24 78.07,20.26 78.05,20.27 78.03,20.27 78.01,20.27 77.99,20.27 77.97,20.27 77.96,20.26 77.94,20.24 77.93,20.22 77.92,20.21 77.92,20.19 77.92,19.41 77.92,19.39 77.91,19.38 77.9,19.36 77.89,19.34 77.87,19.33 77.85,19.33 77.83,19.33 77.81,19.33 77.79,19.33 77.78,19.34 77.76,19.36 77.75,19.38 77.75,19.39 77.74,19.41 77.74,20.19 77.74,20.21 77.74,20.22 77.72,20.24 77.71,20.26 77.69,20.27 77.68,20.27 77.66,20.27 77.64,20.27 77.62,20.27 77.6,20.26 77.59,20.24 77.58,20.22 77.57,20.21 77.57,20.19 77.57,19.41 77.56,19.39 77.56,19.38 77.55,19.36 77.53,19.34 77.52,19.33 77.5,19.33 77.48,19.33 77.46,19.33 77.44,19.33 77.42,19.34 77.41,19.36 77.4,19.38 77.39,19.39 77.39,19.41 77.39,20.19 77.39,20.21 77.38,20.22 77.37,20.24 77.36,20.26 77.34,20.27 77.32,20.27 77.3,20.27 77.28,20.27 77.26,20.27 77.24,20.26 77.23,20.24 77.22,20.22 77.21,20.21 77.21,20.19 77.21,19.41 77.21,19.39 77.2,19.38 77.19,19.36 77.18,19.34 77.16,19.33 77.14,19.33 77.12,19.33 77.1,19.33 77.08,19.33 77.07,19.34 77.05,19.36 77.04,19.38 77.04,19.39 77.03,19.41 77.03,20.19 77.03,20.21 77.02,20.22 77.01,20.24 77,20.26 76.98,20.27 76.96,20.27 76.94,20.27 76.92,20.27 76.91,20.27 76.89,20.26 76.87,20.24 76.86,20.22 76.86,20.21 76.86,20.19 76.86,19.41 76.85,19.39 76.85,19.38 76.84,19.36 76.82,19.34 76.8,19.33 76.79,19.33 76.77,19.33 76.75,19.33 76.73,19.33 76.71,19.34 76.7,19.36 76.69,19.38 76.68,19.39 76.68,19.41 76.68,20.19 76.68,20.21 76.67,20.22 76.66,20.24 76.64,20.26 76.63,20.27 76.61,20.27 76.59,20.27 76.57,20.27 76.55,20.27 76.53,20.26 76.52,20.24 76.51,20.22 76.5,20.21 76.5,20.19 76.5,19.89 76.5,19.87 76.49,19.85 76.48,19.83 76.47,19.82 76.45,19.81 76.43,19.8 76.41,19.8 67.04,19.8 U6.42